# KiCad board keyboard.kicad_pcb
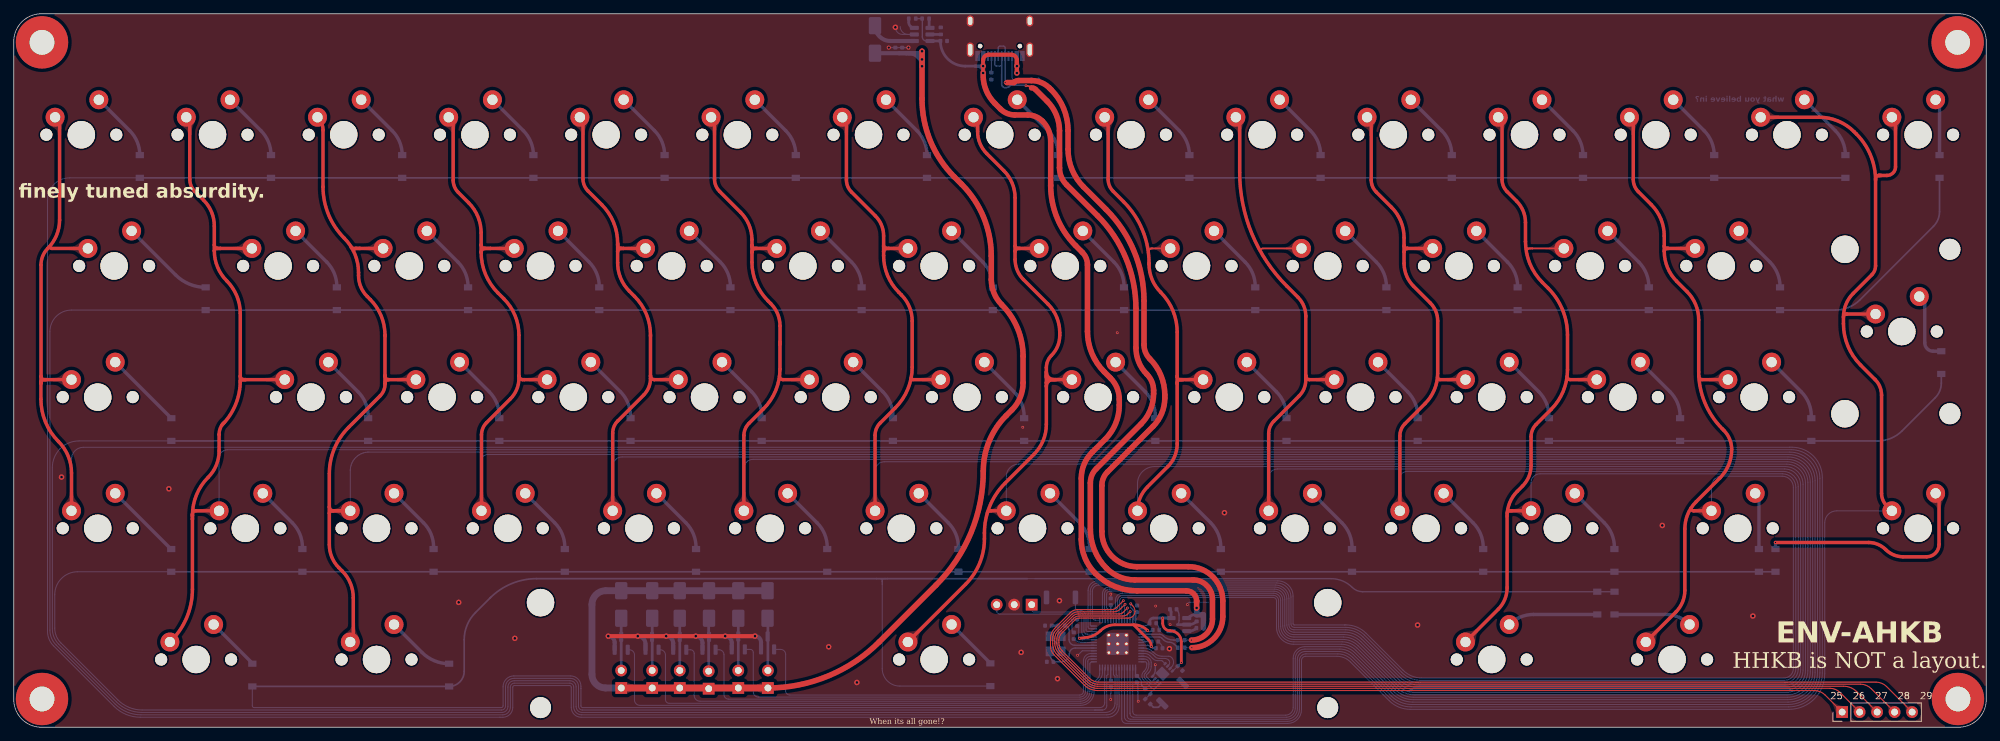
[diagram p0: board, top side]
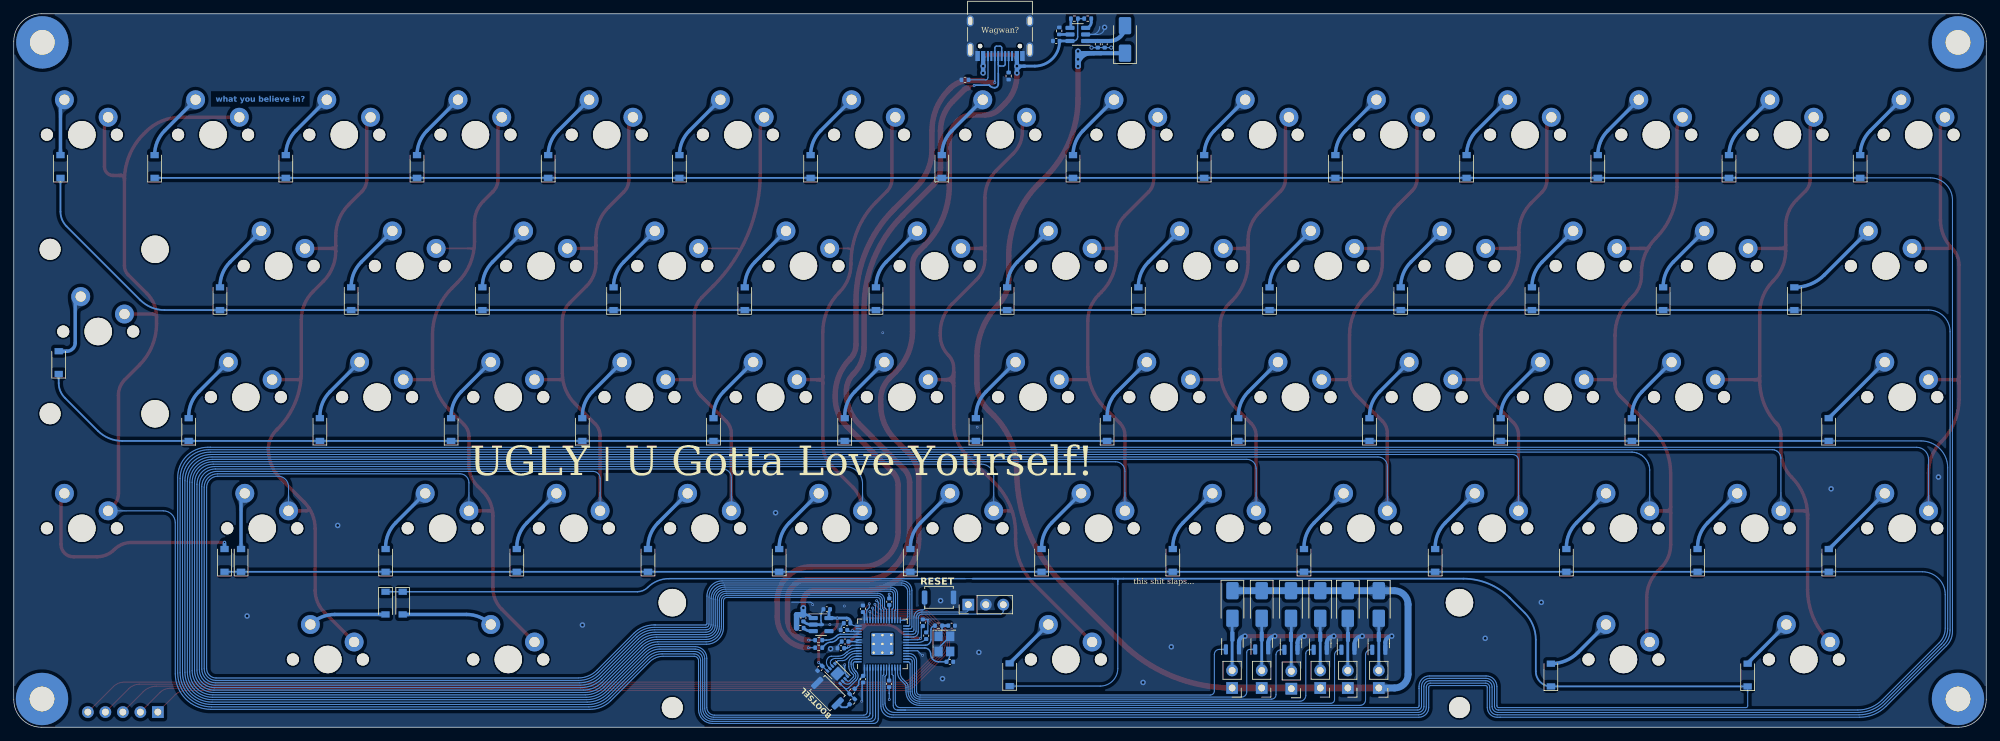
[diagram p1: board, bottom side, seen from below]

Outline 286.4 x 103.6 mm; copper layers: Top, Bottom. Coordinates in mm from the lower left corner of the outline.
Outline path: 0,99.6 arc(1.17,102.43) 4,103.6 282.4,103.6 arc(285.23,102.43) 286.4,99.6 286.4,4 arc(285.23,1.17) 282.4,0 4,0 arc(1.17,1.17) 0,4 0,99.6
Stack: Top 0.035mm / dielectric 1.51mm FR4 er 4.5 / Bottom 0.035mm

## Placement (name value [footprint] x y rotation side)
C1  100nF 0402  [C_0402_1005Metric]  169.35 8.55 315 bottom
C2  1uF 0402  [C_0402_1005Metric]  165.85 14.12 0 bottom
C3  100nF 0402  [C_0402_1005Metric]  154.41 15.18 90 bottom
C4  100nF 0402  [C_0402_1005Metric]  166.31 11.47 0 bottom
C5  1uF 0402  [C_0402_1005Metric]  165.41 15.1 0 bottom
C6  100nF 0402  [C_0402_1005Metric]  165.7 12.44 0 bottom
C7  100nF 0402  [C_0402_1005Metric]  153.91 13.29 90 bottom
C8  100nF 0402  [C_0402_1005Metric]  163.07 6.98 270 bottom
C10  100nF 0402  [C_0402_1005Metric]  159.3 6.3 270 bottom
C11  100nF 0402  [C_0402_1005Metric]  159.27 18.23 90 bottom
C12  100nF 0402  [C_0402_1005Metric]  163.1 17.2 90 bottom
C13  0.1uF 0402  [C_0402_1005Metric]  128 99.17 270 bottom
C14  22pF 0402  [C_0402_1005Metric]  150.22 14.75 0 bottom
C15  22pF 0402  [C_0402_1005Metric]  150.48 9.5 0 bottom
C16  1uF 0402  [C_0402_1005Metric]  171.75 15.85 270 bottom
C17  1uF 0402  [C_0402_1005Metric]  168.35 17.12 0 bottom
C18  100uF 0402  [C_0402_1005Metric]  129 99.17 270 bottom
C19  1uF 0402  [C_0402_1005Metric]  135.03 99.65 0 bottom
D1  SMA general purpose  [D_SMA]  125.05 99.88 90 bottom
D2  1n4004  [D_SMA]  105.2 17.83 270 bottom
D3  1n4004  [D_SMA]  109.45 17.83 270 bottom
D4  1n4004  [D_SMA]  100.95 17.83 270 bottom
D5  1n4004  [D_SMA]  96.7 17.82 270 bottom
D6  1n4004  [D_SMA]  92.7 17.82 270 bottom
D7  1n4004  [D_SMA]  88.2 17.82 270 bottom
D_0  D  [D_SOD-123]  18.3 81.43 90 bottom
D_1  D  [D_SOD-123]  37.35 81.43 90 bottom
D_2  D  [D_SOD-123]  56.4 81.43 90 bottom
D_3  D  [D_SOD-123]  75.45 81.43 90 bottom
D_4  D  [D_SOD-123]  94.5 81.43 90 bottom
D_5  D  [D_SOD-123]  113.55 81.43 90 bottom
D_6  D  [D_SOD-123]  132.6 81.43 90 bottom
D_7  D  [D_SOD-123]  151.65 81.43 90 bottom
D_8  D  [D_SOD-123]  170.7 81.43 90 bottom
D_9  D  [D_SOD-123]  189.75 81.43 90 bottom
D_10  D  [D_SOD-123]  208.8 81.43 90 bottom
D_11  D  [D_SOD-123]  227.85 81.43 90 bottom
D_12  D  [D_SOD-123]  246.9 81.43 90 bottom
D_13  D  [D_SOD-123]  265.95 81.43 90 bottom
D_14  D  [D_SOD-123]  279.62 81.43 90 bottom
D_15  D  [D_SOD-123]  27.86 62.23 90 bottom
D_16  D  [D_SOD-123]  46.91 62.23 90 bottom
D_17  D  [D_SOD-123]  65.96 62.23 90 bottom
D_18  D  [D_SOD-123]  85.01 62.23 90 bottom
D_19  D  [D_SOD-123]  104.06 62.23 90 bottom
D_20  D  [D_SOD-123]  123.11 62.23 90 bottom
D_21  D  [D_SOD-123]  142.16 62.23 90 bottom
D_22  D  [D_SOD-123]  161.21 62.23 90 bottom
D_23  D  [D_SOD-123]  180.26 62.23 90 bottom
D_24  D  [D_SOD-123]  199.31 62.23 90 bottom
D_25  D  [D_SOD-123]  218.36 62.23 90 bottom
D_26  D  [D_SOD-123]  237.41 62.23 90 bottom
D_27  D  [D_SOD-123]  256.46 62.23 90 bottom
D_28  D  [D_SOD-123]  279.88 52.95 90 bottom
D_29  D  [D_SOD-123]  22.87 43.23 90 bottom
D_30  D  [D_SOD-123]  51.45 43.23 90 bottom
D_31  D  [D_SOD-123]  70.5 43.23 90 bottom
D_32  D  [D_SOD-123]  89.55 43.23 90 bottom
D_33  D  [D_SOD-123]  108.6 43.23 90 bottom
D_34  D  [D_SOD-123]  127.65 43.23 90 bottom
D_35  D  [D_SOD-123]  146.7 43.23 90 bottom
D_36  D  [D_SOD-123]  165.75 43.23 90 bottom
D_37  D  [D_SOD-123]  184.8 43.23 90 bottom
D_38  D  [D_SOD-123]  203.85 43.23 90 bottom
D_39  D  [D_SOD-123]  222.9 43.23 90 bottom
D_40  D  [D_SOD-123]  241.95 43.23 90 bottom
D_41  D  [D_SOD-123]  261 43.23 90 bottom
D_42  D  [D_SOD-123]  22.86 24.23 90 bottom
D_43  D  [D_SOD-123]  41.91 24.23 90 bottom
D_44  D  [D_SOD-123]  60.96 24.23 90 bottom
D_45  D  [D_SOD-123]  80.01 24.23 90 bottom
D_46  D  [D_SOD-123]  99.06 24.23 90 bottom
D_47  D  [D_SOD-123]  118.11 24.23 90 bottom
D_48  D  [D_SOD-123]  137.16 24.23 90 bottom
D_49  D  [D_SOD-123]  156.21 24.23 90 bottom
D_50  D  [D_SOD-123]  175.26 24.23 90 bottom
D_51  D  [D_SOD-123]  194.31 24.23 90 bottom
D_52  D  [D_SOD-123]  213.36 24.23 90 bottom
D_53  D  [D_SOD-123]  232.41 24.23 90 bottom
D_54  D  [D_SOD-123]  253.4 24.23 90 bottom
D_55  D  [D_SOD-123]  255.8 24.23 90 bottom
D_56  D  [D_SOD-123]  34.64 7.58 90 bottom
D_57  D  [D_SOD-123]  63.21 7.58 90 bottom
D_58  D  [D_SOD-123]  141.8 7.62 90 bottom
D_59  D  [D_SOD-123]  229.93 18.03 270 bottom
D_60  D  [D_SOD-123]  232.43 18.03 270 bottom
H1  MountingHole  [MountingHole_3.5mm_Pad]  4.1 99.45 0 top
H2  MountingHole  [MountingHole_3.5mm_Pad]  282.25 99.45 0 top
H3  MountingHole  [MountingHole_3.5mm_Pad]  4.1 4.1 0 top
H4  MountingHole  [MountingHole_3.5mm_Pad]  282.3 4.1 0 top
J1  HRO_TYPE-C-31-M-12  [USB_C_Receptacle_HRO_TYPE-C-31-M-12]  143.2 101.51 0 bottom
J2  Conn_01x03  [PinHeader_1x03_P2.54mm_Vertical]  147.8 17.8 90 bottom
J3  Conn_01x05  [PinHeader_1x05_P2.54mm_Vertical]  265.48 2.2 90 top
K_0  KEYSW  [MXOnly-1U-NoLED]  9.81 86.04 0 top
K_1  KEYSW  [MXOnly-1U-NoLED]  28.86 86.04 0 top
K_2  KEYSW  [MXOnly-1U-NoLED]  47.91 86.04 0 top
K_3  KEYSW  [MXOnly-1U-NoLED]  66.96 86.04 0 top
K_4  KEYSW  [MXOnly-1U-NoLED]  86.01 86.04 0 top
K_5  KEYSW  [MXOnly-1U-NoLED]  105.06 86.04 0 top
K_6  KEYSW  [MXOnly-1U-NoLED]  124.11 86.04 0 top
K_7  KEYSW  [MXOnly-1U-NoLED]  143.16 86.04 0 top
K_8  KEYSW  [MXOnly-1U-NoLED]  162.21 86.04 0 top
K_9  KEYSW  [MXOnly-1U-NoLED]  181.26 86.04 0 top
K_10  KEYSW  [MXOnly-1U-NoLED]  200.31 86.04 0 top
K_11  KEYSW  [MXOnly-1U-NoLED]  219.36 86.04 0 top
K_12  KEYSW  [MXOnly-1U-NoLED]  238.41 86.04 0 top
K_13  KEYSW  [MXOnly-1U-NoLED]  257.46 86.04 0 top
K_14  KEYSW  [MXOnly-1U-NoLED]  276.51 86.04 0 top
K_15  KEYSW  [MXOnly-1U-NoLED]  14.57 66.99 0 top
K_16  KEYSW  [MXOnly-1U-NoLED]  38.38 66.99 0 top
K_17  KEYSW  [MXOnly-1U-NoLED]  57.43 66.99 0 top
K_18  KEYSW  [MXOnly-1U-NoLED]  76.48 66.99 0 top
K_19  KEYSW  [MXOnly-1U-NoLED]  95.53 66.99 0 top
K_20  KEYSW  [MXOnly-1U-NoLED]  114.58 66.99 0 top
K_21  KEYSW  [MXOnly-1U-NoLED]  133.63 66.99 0 top
K_22  KEYSW  [MXOnly-1U-NoLED]  152.68 66.99 0 top
K_23  KEYSW  [MXOnly-1U-NoLED]  171.73 66.99 0 top
K_24  KEYSW  [MXOnly-1U-NoLED]  190.78 66.99 0 top
K_25  KEYSW  [MXOnly-1U-NoLED]  209.83 66.99 0 top
K_26  KEYSW  [MXOnly-1U-NoLED]  228.88 66.99 0 top
K_27  KEYSW  [MXOnly-1U-NoLED]  247.93 66.99 0 top
K_28  KEYSW  [MXOnly-1U-NoLED]  274.14 57.46 0 top
K_29  KEYSW  [MXOnly-1U-NoLED]  12.19 47.94 0 top
K_30  KEYSW  [MXOnly-1U-NoLED]  43.15 47.94 0 top
K_31  KEYSW  [MXOnly-1U-NoLED]  62.2 47.94 0 top
K_32  KEYSW  [MXOnly-1U-NoLED]  81.25 47.94 0 top
K_33  KEYSW  [MXOnly-1U-NoLED]  100.3 47.94 0 top
K_34  KEYSW  [MXOnly-1U-NoLED]  119.35 47.94 0 top
K_35  KEYSW  [MXOnly-1U-NoLED]  138.4 47.94 0 top
K_36  KEYSW  [MXOnly-1U-NoLED]  157.45 47.94 0 top
K_37  KEYSW  [MXOnly-1U-NoLED]  176.5 47.94 0 top
K_38  KEYSW  [MXOnly-1U-NoLED]  195.55 47.94 0 top
K_39  KEYSW  [MXOnly-1U-NoLED]  214.6 47.94 0 top
K_40  KEYSW  [MXOnly-1U-NoLED]  233.65 47.94 0 top
K_41  KEYSW  [MXOnly-1U-NoLED]  252.7 47.94 0 top
K_42  KEYSW  [MXOnly-1U-NoLED]  12.19 28.89 0 top
K_43  KEYSW  [MXOnly-1U-NoLED]  33.62 28.89 0 top
K_44  KEYSW  [MXOnly-1U-NoLED]  52.67 28.89 0 top
K_45  KEYSW  [MXOnly-1U-NoLED]  71.72 28.89 0 top
K_46  KEYSW  [MXOnly-1U-NoLED]  90.77 28.89 0 top
K_47  KEYSW  [MXOnly-1U-NoLED]  109.82 28.89 0 top
K_48  KEYSW  [MXOnly-1U-NoLED]  128.87 28.89 0 top
K_49  KEYSW  [MXOnly-1U-NoLED]  147.92 28.89 0 top
K_50  KEYSW  [MXOnly-1U-NoLED]  166.97 28.89 0 top
K_51  KEYSW  [MXOnly-1U-NoLED]  186.02 28.89 0 top
K_52  KEYSW  [MXOnly-1U-NoLED]  205.07 28.89 0 top
K_53  KEYSW  [MXOnly-1U-NoLED]  224.12 28.89 0 top
K_54  KEYSW  [MXOnly-1U-NoLED]  250.32 28.89 0 top
K_55  KEYSW  [MXOnly-1U-NoLED]  276.51 28.89 0 top
K_56  KEYSW  [MXOnly-1U-NoLED]  26.48 9.84 0 top
K_57  KEYSW  [MXOnly-1U-NoLED]  52.67 9.84 0 top
K_58  KEYSW  [MXOnly-1U-NoLED]  133.63 9.84 0 top
K_59  KEYSW  [MXOnly-1U-NoLED]  214.6 9.84 0 top
K_60  KEYSW  [MXOnly-1U-NoLED]  240.79 9.84 0 top
Q1  AO3400A  [SOT-23]  105.2 12.24 90 bottom
Q2  AO3400A  [SOT-23]  109.45 12.24 90 bottom
Q3  AO3400A  [SOT-23]  100.95 12.19 90 bottom
Q4  AO3400A  [SOT-23]  96.7 12.19 90 bottom
Q5  AO3400A  [SOT-23]  92.67 12.19 90 bottom
Q6  AO3400A  [SOT-23]  88.2 12.19 90 bottom
R1  10K 0402  [R_0402_1005Metric]  164.67 5.2 135 bottom
R2  27 0402  [R_0402_1005Metric]  169.52 11.55 0 bottom
R3  27 0402  [R_0402_1005Metric]  169.52 12.65 0 bottom
R4  1K 0402  [R_0402_1005Metric]  152.12 14.75 0 bottom
R5  5.1K 0402  [R_0402_1005Metric]  141.94 94.56 270 bottom
R6  5.1K 0402  [R_0402_1005Metric]  148.28 94 0 bottom
R7  10K 0402  [R_0402_1005Metric]  172.22 14.4 0 bottom
R8  1K 0402  [R_0402_1005Metric]  164.65 3.73 135 bottom
R9  10K 0402  [R_0402_1005Metric]  132.4 102.9 0 bottom
R10  10K 0402  [R_0402_1005Metric]  130.46 102.9 180 bottom
R11  13.7kΩ 0402  [R_0402_1005Metric]  134.6 101.11 90 bottom
S1  SOLENOID Connector  [PinHeader_1x02_P2.54mm_Vertical]  105.2 5.7 0 bottom
S2  SOLENOID Connector  [PinHeader_1x02_P2.54mm_Vertical]  100.9 5.6 0 bottom
S3  SOLENOID Connector  [PinHeader_1x02_P2.54mm_Vertical]  96.7 5.7 0 bottom
S4  SOLENOID Connector  [PinHeader_1x02_P2.54mm_Vertical]  92.7 5.7 0 bottom
S5  SOLENOID Connector  [PinHeader_1x02_P2.54mm_Vertical]  88.2 5.7 0 bottom
S6  SOLENOID Connector  [PinHeader_1x02_P2.54mm_Vertical]  109.5 5.7 0 bottom
STAB1  Stabiliser  [Stabilizer_Cherry_MX_7u]  133.63 9.84 180 top
STAB2  Stabiliser  [Stabilizer_Cherry_MX_2u]  274.14 57.46 270 top
SW1  Alps SKRK  [SW_Push_SPST_NO_Alps_SKRK]  168.25 4.95 225 bottom
SW2  Alps SKRK  [SW_Push_SPST_NO_Alps_SKRK]  152.05 18.85 0 bottom
U1  TLV75533PDBV  [SOT-23-5]  169.17 14.9 180 bottom
U2  AP22615  [TSOT-23-6]  131.9 100.6 0 bottom
U101  RP2040  [RP2040-QFN-56]  160.27 12.1 90 bottom
U103  W25Q16  [SON-8-1EP_3x2mm_P0.5mm_EP1.4x1.6mm]  166.79 7.78 45 bottom
Y1  12MHz 3225  [Crystal_SMD_3225-4Pin_3.2x2.5mm]  151.28 12.1 270 bottom

## Library data of the parts
C1-C8 C10-C19 = -: Description: Unpolarized capacitor, small symbol
D1 = -: Description: 50V 3A General Purpose Rectifier Diode, DO-201AD; Sim.Device: D; Sim.Pins: 1=K 2=A
D2-D7 = -: Description: 400V 1A General Purpose Rectifier Diode, DO-41
D_0-D_60 = -: Description: Diode, small symbol
H1-H4 STAB1 STAB2 = -: Description: Mounting Hole without connection
J1 = -: Description: USB 2.0-only Type-C Receptacle connector
J2 = -: Description: Generic connector, single row, 01x03, script generated (kicad-library-utils/schlib/autogen/connector/)
J3 = -: Description: Generic connector, single row, 01x05, script generated (kicad-library-utils/schlib/autogen/connector/)
Q1-Q6 = -: Description: 30V Vds, 5.7A Id, N-Channel MOSFET, SOT-23
R1-R11 = -: Description: Resistor, small symbol
S1-S6 = -: Description: Inductor, small symbol
SW1 SW2 = -: Description: Push button switch, generic, two pins
U1 = -: Description: 500mA Low Dropout Voltage Regulator, Fixed Output 3.3V, SOT-23-5
U103 = -: Description: 32Mb Serial Flash Memory, Standard/Dual/Quad SPI, DFN-8
Y1 = -: Description: Four pin crystal, GND on pins 2 and 4, small symbol

## Footprints (pads in the part's own frame, mm; a bottom-side part is the same pattern mirrored in y, then rotated)
C_0402_1005Metric
  rrect 0.56x0.62 smd: 1(-0.48,0) 2(0.48,0)
Crystal_SMD_3225-4Pin_3.2x2.5mm
  rect 1.4x1.2 smd: 1(-1.1,-0.85) 2(1.1,-0.85) 3(1.1,0.85) 4(-1.1,0.85)
D_SMA
  rrect 2.5x1.8 smd: 1(-2,0) 2(2,0)
D_SOD-123
  rect 0.9x1.2 smd: 1(-1.65,0) 2(1.65,0)
MountingHole_3.5mm_Pad
  round 7.6 hole 3.6: 1(0,0)
MXOnly-1U-NoLED
  round 1.75 hole 1.75 unplated: (-5.08,0) (5.08,0)
  round 3.988 hole 3.988 unplated: (0,0)
  round 2.75 hole 1.5: 1(-3.81,2.54) 2(2.54,5.08)
PinHeader_1x02_P2.54mm_Vertical
  rect 1.7x1.7 hole 1: 1(0,0)
  oval 1.7x1.7 hole 1: 2(0,-2.54)
PinHeader_1x03_P2.54mm_Vertical
  rect 1.7x1.7 hole 1: 1(0,0)
  oval 1.7x1.7 hole 1: 2(0,-2.54) 3(0,-5.08)
PinHeader_1x05_P2.54mm_Vertical
  rect 1.7x1.7 hole 1: 1(0,0)
  oval 1.7x1.7 hole 1: 2(0,-2.54) 3(0,-5.08) 4(0,-7.62) 5(0,-10.16)
R_0402_1005Metric
  rrect 0.54x0.64 smd: 1(-0.51,0) 2(0.51,0)
RP2040-QFN-56
  rrect 1.084x1.084 smd: (-0.637,-0.637) (-0.637,0.637) (0.637,-0.637) (0.637,0.637)
  rrect 0.875x0.2 smd: 1(-3.438,2.6) 2(-3.438,2.2) 3(-3.438,1.8) 4(-3.438,1.4) 5(-3.438,1) 6(-3.438,0.6) 7(-3.438,0.2) 8(-3.438,-0.2) 9(-3.438,-0.6) 10(-3.438,-1) 11(-3.438,-1.4) 12(-3.438,-1.8) 13(-3.438,-2.2) 14(-3.438,-2.6) 29(3.438,-2.6) 30(3.438,-2.2) 31(3.438,-1.8) 32(3.438,-1.4) 33(3.438,-1) 34(3.438,-0.6) 35(3.438,-0.2) 36(3.438,0.2) 37(3.438,0.6) 38(3.438,1) 39(3.438,1.4) 40(3.438,1.8) 41(3.438,2.2) 42(3.438,2.6)
  rrect 0.2x0.875 smd: 15(-2.6,-3.438) 16(-2.2,-3.438) 17(-1.8,-3.438) 18(-1.4,-3.438) 19(-1,-3.438) 20(-0.6,-3.438) 21(-0.2,-3.438) 22(0.2,-3.438) 23(0.6,-3.438) 24(1,-3.438) 25(1.4,-3.438) 26(1.8,-3.438) 27(2.2,-3.438) 28(2.6,-3.438) 43(2.6,3.438) 44(2.2,3.438) 45(1.8,3.438) 46(1.4,3.438) 47(1,3.438) 48(0.6,3.438) 49(0.2,3.438) 50(-0.2,3.438) 51(-0.6,3.438) 52(-1,3.438) 53(-1.4,3.438) 54(-1.8,3.438) 55(-2.2,3.438) 56(-2.6,3.438)
  round 0.6 hole 0.35: 57(-1.275,-1.275) 57(-1.275,0) 57(-1.275,1.275) 57(0,-1.275) 57(0,0) 57(0,1.275) 57(1.275,-1.275) 57(1.275,0) 57(1.275,1.275)
  rrect 3.2x3.2 smd: 57(0,0)
SON-8-1EP_3x2mm_P0.5mm_EP1.4x1.6mm
  rrect 0.56x0.64 smd: (-0.35,-0.4) (-0.35,0.4) (0.35,-0.4) (0.35,0.4)
  rrect 0.525x0.35 smd: 1(-1.288,0.75) 2(-1.288,0.25) 3(-1.288,-0.25) 4(-1.288,-0.75) 5(1.288,-0.75) 6(1.288,-0.25) 7(1.288,0.25) 8(1.288,0.75)
  rect 1.4x1.6 smd: 9(0,0)
SOT-23
  rrect 1.475x0.6 smd: 1(-0.938,0.95) 2(-0.938,-0.95) 3(0.938,0)
SOT-23-5
  rrect 1.325x0.6 smd: 1(-1.137,0.95) 2(-1.137,0) 3(-1.137,-0.95) 4(1.137,-0.95) 5(1.137,0.95)
Stabilizer_Cherry_MX_2u
  round 3.048 hole 3.048 unplated: (-11.938,6.985) (11.938,6.985)
  round 3.988 hole 3.988 unplated: (-11.938,-8.255) (11.938,-8.255)
Stabilizer_Cherry_MX_7u
  round 3.048 hole 3.048 unplated: (-57.15,6.985) (57.15,6.985)
  round 3.988 hole 3.988 unplated: (-57.15,-8.255) (57.15,-8.255)
SW_Push_SPST_NO_Alps_SKRK
  rrect 0.8x2 smd: 1(-2.1,0) 2(2.1,0)
TSOT-23-6
  rrect 1.325x0.6 smd: 1(-1.137,0.95) 2(-1.137,0) 3(-1.137,-0.95) 4(1.137,-0.95) 5(1.137,0) 6(1.137,0.95)
USB_C_Receptacle_HRO_TYPE-C-31-M-12
  round 0.65 hole 0.65 unplated: (-2.89,2.6) (2.89,2.6)
  rect 0.6x1.45 smd: A1(-3.25,4.045) A4(-2.45,4.045) A9(2.45,4.045) A12(3.25,4.045) B1(3.25,4.045) B4(2.45,4.045) B9(-2.45,4.045) B12(-3.25,4.045)
  rect 0.3x1.45 smd: A5(-1.25,4.045) A6(-0.25,4.045) A7(0.25,4.045) A8(1.25,4.045) B5(1.75,4.045) B6(0.75,4.045) B7(-0.75,4.045) B8(-1.75,4.045)
  oval 1x1.6 hole 0.6x1.2: S1(-4.32,-1.05) S1(4.32,-1.05)
  oval 1x2.1 hole 0.6x1.7: S1(-4.32,3.13) S1(4.32,3.13)

## Nets
+1V1: C2.1 C3.1 C4.1 U101.23 U101.45 U101.50
+3V3: C1.1 C5.1 C6.1 C7.1 C8.1 C10.1 C11.1 C12.1 C17.1 R1.2 U1.5 U101.1 U101.10 U101.22 U101.33 U101.42 U101.43 U101.44 U101.48 U101.49 U103.8
GND: C1.2 C2.2 C3.2 C4.2 C5.2 C6.2 C7.2 C8.2 C10.2 C11.2 C12.2 C13.2 C14.1 C15.1 C16.2 C17.2 C18.2 C19.2 J1.A1 J1.A12 J1.B1 J1.B12 J1.S1 J2.2 Q1.2 Q2.2 Q3.2 Q4.2 Q5.2 Q6.2 R5.2 R6.2 R11.2 SW1.1 SW2.1 U1.2 U2.2 U101.19 U101.57 U103.4 U103.9 Y1.2 Y1.4
VBUS: C16.1 C19.1 J1.A4 J1.A9 J1.B4 J1.B9 R7.2 R9.1 R10.1 U1.1 U2.6
/QSPI_SS: R1.1 R8.2 U101.56 U103.1
/USB_D+: J1.A6 J1.B6 R2.2
/USB_D-: J1.A7 J1.B7 R3.2
col0: K_0.1 K_15.1 K_29.1 K_42.1 U101.5
col1: K_1.1 K_16.1 K_30.1 K_43.1 K_56.1 U101.4
col2: K_2.1 K_17.1 K_31.1 K_44.1 K_57.1 U101.3
col3: K_3.1 K_18.1 K_32.1 K_45.1 U101.2
col4: K_4.1 K_19.1 K_33.1 K_46.1 U101.36
col5: K_5.1 K_20.1 K_34.1 K_47.1 U101.35
col6: K_6.1 K_21.1 K_35.1 K_48.1 U101.34
col7: K_7.1 K_22.1 K_36.1 K_49.1 K_58.1 U101.32
col8: K_8.1 K_23.1 K_37.1 K_50.1 U101.31
col9: K_9.1 K_24.1 K_38.1 K_51.1 U101.30
col10: K_10.1 K_25.1 K_39.1 K_52.1 U101.29
col11: K_11.1 K_26.1 K_40.1 K_53.1 K_59.1 U101.28
col12: K_12.1 K_27.1 K_41.1 K_54.1 K_60.1 U101.27
col13: K_13.1 K_14.1 K_28.1 K_55.1 U101.6
QSPI_SCLK: U101.52 U103.6
QSPI_SD0: U101.53 U103.5
QSPI_SD1: U101.55 U103.2
QSPI_SD2: U101.54 U103.3
QSPI_SD3: U101.51 U103.7
row0: D_0.1 D_1.1 D_2.1 D_3.1 D_4.1 D_5.1 D_6.1 D_7.1 D_8.1 D_9.1 D_10.1 D_11.1 D_12.1 D_13.1 U101.7
row1: D_14.1 D_15.1 D_16.1 D_17.1 D_18.1 D_19.1 D_20.1 D_21.1 D_22.1 D_23.1 D_24.1 D_25.1 D_26.1 D_27.1 U101.8
row2: D_28.1 D_29.1 D_30.1 D_31.1 D_32.1 D_33.1 D_34.1 D_35.1 D_36.1 D_37.1 D_38.1 D_39.1 D_40.1 D_41.1 U101.9
row3: D_42.1 D_43.1 D_44.1 D_45.1 D_46.1 D_47.1 D_48.1 D_49.1 D_50.1 D_51.1 D_52.1 D_53.1 D_54.1 D_55.1 U101.11
row4: D_56.1 D_57.1 D_58.1 D_59.1 D_60.1 U101.12
SOL1: Q2.1 U101.18
SOL2: Q1.1 U101.17
SOL3: Q3.1 U101.16
SOL4: Q4.1 U101.15
SOL5: Q5.1 U101.14
SOL6: Q6.1 U101.13
VSYS: C13.1 C18.1 D1.2 U2.1
Net-(C14-Pad2): C14.2 R4.1 Y1.1
Net-(D1-K): D1.1 D2.1 D3.1 D4.1 D5.1 D6.1 D7.1 S1.1 S2.1 S3.1 S4.1 S5.1 S6.1
Net-(D2-A): D2.2 Q1.3 S1.2
Net-(D3-A): D3.2 Q2.3 S6.2
Net-(D4-A): D4.2 Q3.3 S2.2
Net-(D5-A): D5.2 Q4.3 S3.2
Net-(D6-A): D6.2 Q5.3 S4.2
Net-(D7-A): D7.2 Q6.3 S5.2
Net-(D_0-A): D_0.2 K_0.2
Net-(D_1-A): D_1.2 K_1.2
Net-(D_2-A): D_2.2 K_2.2
Net-(D_3-A): D_3.2 K_3.2
Net-(D_4-A): D_4.2 K_4.2
Net-(D_5-A): D_5.2 K_5.2
Net-(D_6-A): D_6.2 K_6.2
Net-(D_7-A): D_7.2 K_7.2
Net-(D_8-A): D_8.2 K_8.2
Net-(D_9-A): D_9.2 K_9.2
Net-(D_10-A): D_10.2 K_10.2
Net-(D_11-A): D_11.2 K_11.2
Net-(D_12-A): D_12.2 K_12.2
Net-(D_13-A): D_13.2 K_13.2
Net-(D_14-A): D_14.2 K_14.2
Net-(D_15-A): D_15.2 K_15.2
Net-(D_16-A): D_16.2 K_16.2
Net-(D_17-A): D_17.2 K_17.2
Net-(D_18-A): D_18.2 K_18.2
Net-(D_19-A): D_19.2 K_19.2
Net-(D_20-A): D_20.2 K_20.2
Net-(D_21-A): D_21.2 K_21.2
Net-(D_22-A): D_22.2 K_22.2
Net-(D_23-A): D_23.2 K_23.2
Net-(D_24-A): D_24.2 K_24.2
Net-(D_25-A): D_25.2 K_25.2
Net-(D_26-A): D_26.2 K_26.2
Net-(D_27-A): D_27.2 K_27.2
Net-(D_28-A): D_28.2 K_28.2
Net-(D_29-A): D_29.2 K_29.2
Net-(D_30-A): D_30.2 K_30.2
Net-(D_31-A): D_31.2 K_31.2
Net-(D_32-A): D_32.2 K_32.2
Net-(D_33-A): D_33.2 K_33.2
Net-(D_34-A): D_34.2 K_34.2
Net-(D_35-A): D_35.2 K_35.2
Net-(D_36-A): D_36.2 K_36.2
Net-(D_37-A): D_37.2 K_37.2
Net-(D_38-A): D_38.2 K_38.2
Net-(D_39-A): D_39.2 K_39.2
Net-(D_40-A): D_40.2 K_40.2
Net-(D_41-A): D_41.2 K_41.2
Net-(D_42-A): D_42.2 K_42.2
Net-(D_43-A): D_43.2 K_43.2
Net-(D_44-A): D_44.2 K_44.2
Net-(D_45-A): D_45.2 K_45.2
Net-(D_46-A): D_46.2 K_46.2
Net-(D_47-A): D_47.2 K_47.2
Net-(D_48-A): D_48.2 K_48.2
Net-(D_49-A): D_49.2 K_49.2
Net-(D_50-A): D_50.2 K_50.2
Net-(D_51-A): D_51.2 K_51.2
Net-(D_52-A): D_52.2 K_52.2
Net-(D_53-A): D_53.2 K_53.2
Net-(D_54-A): D_54.2 K_54.2
Net-(D_55-A): D_55.2 K_55.2
Net-(D_56-A): D_56.2 K_56.2
Net-(D_57-A): D_57.2 K_57.2
Net-(D_58-A): D_58.2 K_58.2
Net-(D_59-A): D_59.2 K_59.2
Net-(D_60-A): D_60.2 K_60.2
Net-(J1-CC1): J1.A5 R5.1
Net-(J1-CC2): J1.B5 R6.1
Net-(J2-Pin_1): J2.1 U101.25
Net-(J2-Pin_3): J2.3 U101.24
Net-(J3-Pin_1): J3.1 U101.37
Net-(J3-Pin_2): J3.2 U101.38
Net-(J3-Pin_3): J3.3 U101.39
Net-(J3-Pin_4): J3.4 U101.40
Net-(J3-Pin_5): J3.5 U101.41
Net-(R8-Pad1): R8.1 SW1.2
Net-(U1-EN): R7.1 U1.3
Net-(U2-EN): R9.2 U2.4
Net-(U2-FLG): R10.2 U2.3
Net-(U2-ISET): R11.1 U2.5
Net-(U101-RUN): SW2.2 U101.26
Net-(U101-USB_DM): R3.1 U101.46
Net-(U101-USB_DP): R2.1 U101.47
Net-(U101-XIN): C15.2 U101.20 Y1.3
Net-(U101-XOUT): R4.2 U101.21

Pads without a net: H1 1; H2 1; H3 1; H4 1; J1 A8 B8; U1 4

## Via types
v1: diameter 0.4, hole 0.2, Top to Bottom, 25 vias
v2: diameter 0.8, hole 0.4, Top to Bottom, 29 vias
v3: diameter 0.6, hole 0.35, Top to Bottom, 2 vias

## Routing (per net, layer and track width the routed paths; a pad name or vN(x,y) marks a point on that pad's centre or on a via; arc(x,y) is an arc through that point)
+1V1: length 25.5
  Top w0.4: 162.59,14.88 159.89,14.88 arc(158.75,14.65) 157.79,14.01 157.78,14.01 arc(156.95,13.4) 155.96,13.06 v1(154.74,12.91) ; 162.59,14.88 164.77,12.71 arc(165.07,12.25) v1(165.17,11.72) ; 162.59,14.88 arc(163.7,14.66) v1(164.64,14.03)
  Bottom w0.15: v1(165.17,11.72) 164.96,11.72 164.95,11.73 ; 164.95,11.73 164.85,11.83 arc(164.77,11.88) 164.67,11.9 U101.50 ; 164.95,11.73 164.97,11.71 arc(165.22,11.54) 165.51,11.48 ; 154.6,14.51 154.41,14.7 arc(154.56,14.64) 154.62,14.48 154.62,13.25 arc(154.79,12.86) 155.17,12.7 U101.23 ; U101.45 164.38,13.9
  Bottom w0.2: 165.92,11.48 165.41,11.48 v1(165.17,11.72) ; v1(164.64,14.03) arc(164.5,13.93) 164.33,13.9 U101.45 164.84,13.9 arc(165.13,13.96) C2.1
+3V3: length 32.6
  Top w0.4: v1(166.82,15.85) 166.82,15.1 arc(167.15,14.32) 167.92,14 arc(169.06,13.53) 169.52,12.4 v1(169.52,9.4)
  Bottom w0.15: U101.22 155.15,12.3 arc(154.48,12.43) C7.1 ; 164.92,15.1 164.9,15.1 164.68,14.89 arc(164.36,14.75) 164.01,14.7 U101.43 ; v1(169.52,9.4) 169.02,8.89 arc(169.01,8.89) C1.1 168.31,8.19 arc(168.28,8.17) U103.8
  Bottom w0.2: C10.1 159.27,6.81 159.27,8.66 ; 162.88,15.54 162.88,16.42 arc(162.96,16.63) 163.17,16.72 ; 162.88,15.54 162.88,16.18 arc(162.93,16.47) C12.1 ; 162.88,15.54 162.88,16.43 arc(162.98,16.67) 163.22,16.78 ; 159.27,15.54 159.27,17.75 ; R1.2 163.78,6.1 arc(163.74,6.16) 163.72,6.23 163.72,6.55 arc(163.68,6.78) 163.55,6.98 163.13,7.4 arc(163.04,7.46) 162.92,7.48 arc(162.89,7.49) 162.88,7.53 162.88,8.66 ; C6.1 164.34,12.44 arc(164,12.51) U101.48
  Bottom w0.4: 164.92,15.1 164.92,15.31 arc(165.08,15.69) 165.47,15.85 v1(166.82,15.85) U1.5 168.04,16.73 arc(168,16.95) 167.88,17.13
GND: length 72.6
  Top w0.6: v2(107.63,13.23) v2(103.3,13.23) v2(99.02,13.23) v2(94.73,13.23) v2(90.6,13.23) v2(86.33,13.23)
  Bottom w0.15: 129.45,98.69 v3(129.91,98.69) ; 129.45,98.69 v3(127.05,98.69) ; 129.45,98.69 C18.2 arc(129,98.68) 128.98,98.68 ; C5.2 165.96,15.02 arc(166.24,14.61) C2.2 ; 159.32,19.13 159.32,18.75 arc(159.31,18.72) C11.2 159.27,19.31 arc(159.28,19.32) v1(159.29,19.33) ; C6.2 166.54,12.08 arc(166.73,11.8) C4.2 ; v1(159.27,4.03) 159.27,4.91 159.3,4.93 arc(159.3,4.94) 159.3,4.94 C10.2 ; C3.2 153.57,15.66 arc(153.64,15.63) 153.67,15.56 153.67,14.01 arc(153.75,13.84) C7.2 ; 173.45,18.15 170.75,18.15 arc(170.5,18.05) v1(170.4,17.8) ; 154.45,10.4 v1(154.45,10.45) 154.5,10.45 155.15,11.1 U101.19 ; v2(128.01,101.63) arc(128.31,100.9) 129.04,100.6 U2.2 129.85,100.6 arc(129.04,100.93) 128.71,101.74
  Bottom w0.2: v1(165.75,9.08) 165.75,8.36 arc(165.65,7.84) U103.4 ; Y1.4 151.77,11.85 arc(152.04,11.46) Y1.2 ; v1(163.27,3.78) 163.22,3.83 163.22,6.33 163.1,6.45 arc(163.09,6.47) C8.2 ; 168.95,14.9 arc(169.14,15.18) 169.2,15.5 169.2,16.24 arc(169.11,16.72) C17.2